# KiCad board rabbit_mask_video_edit.kicad_pcb
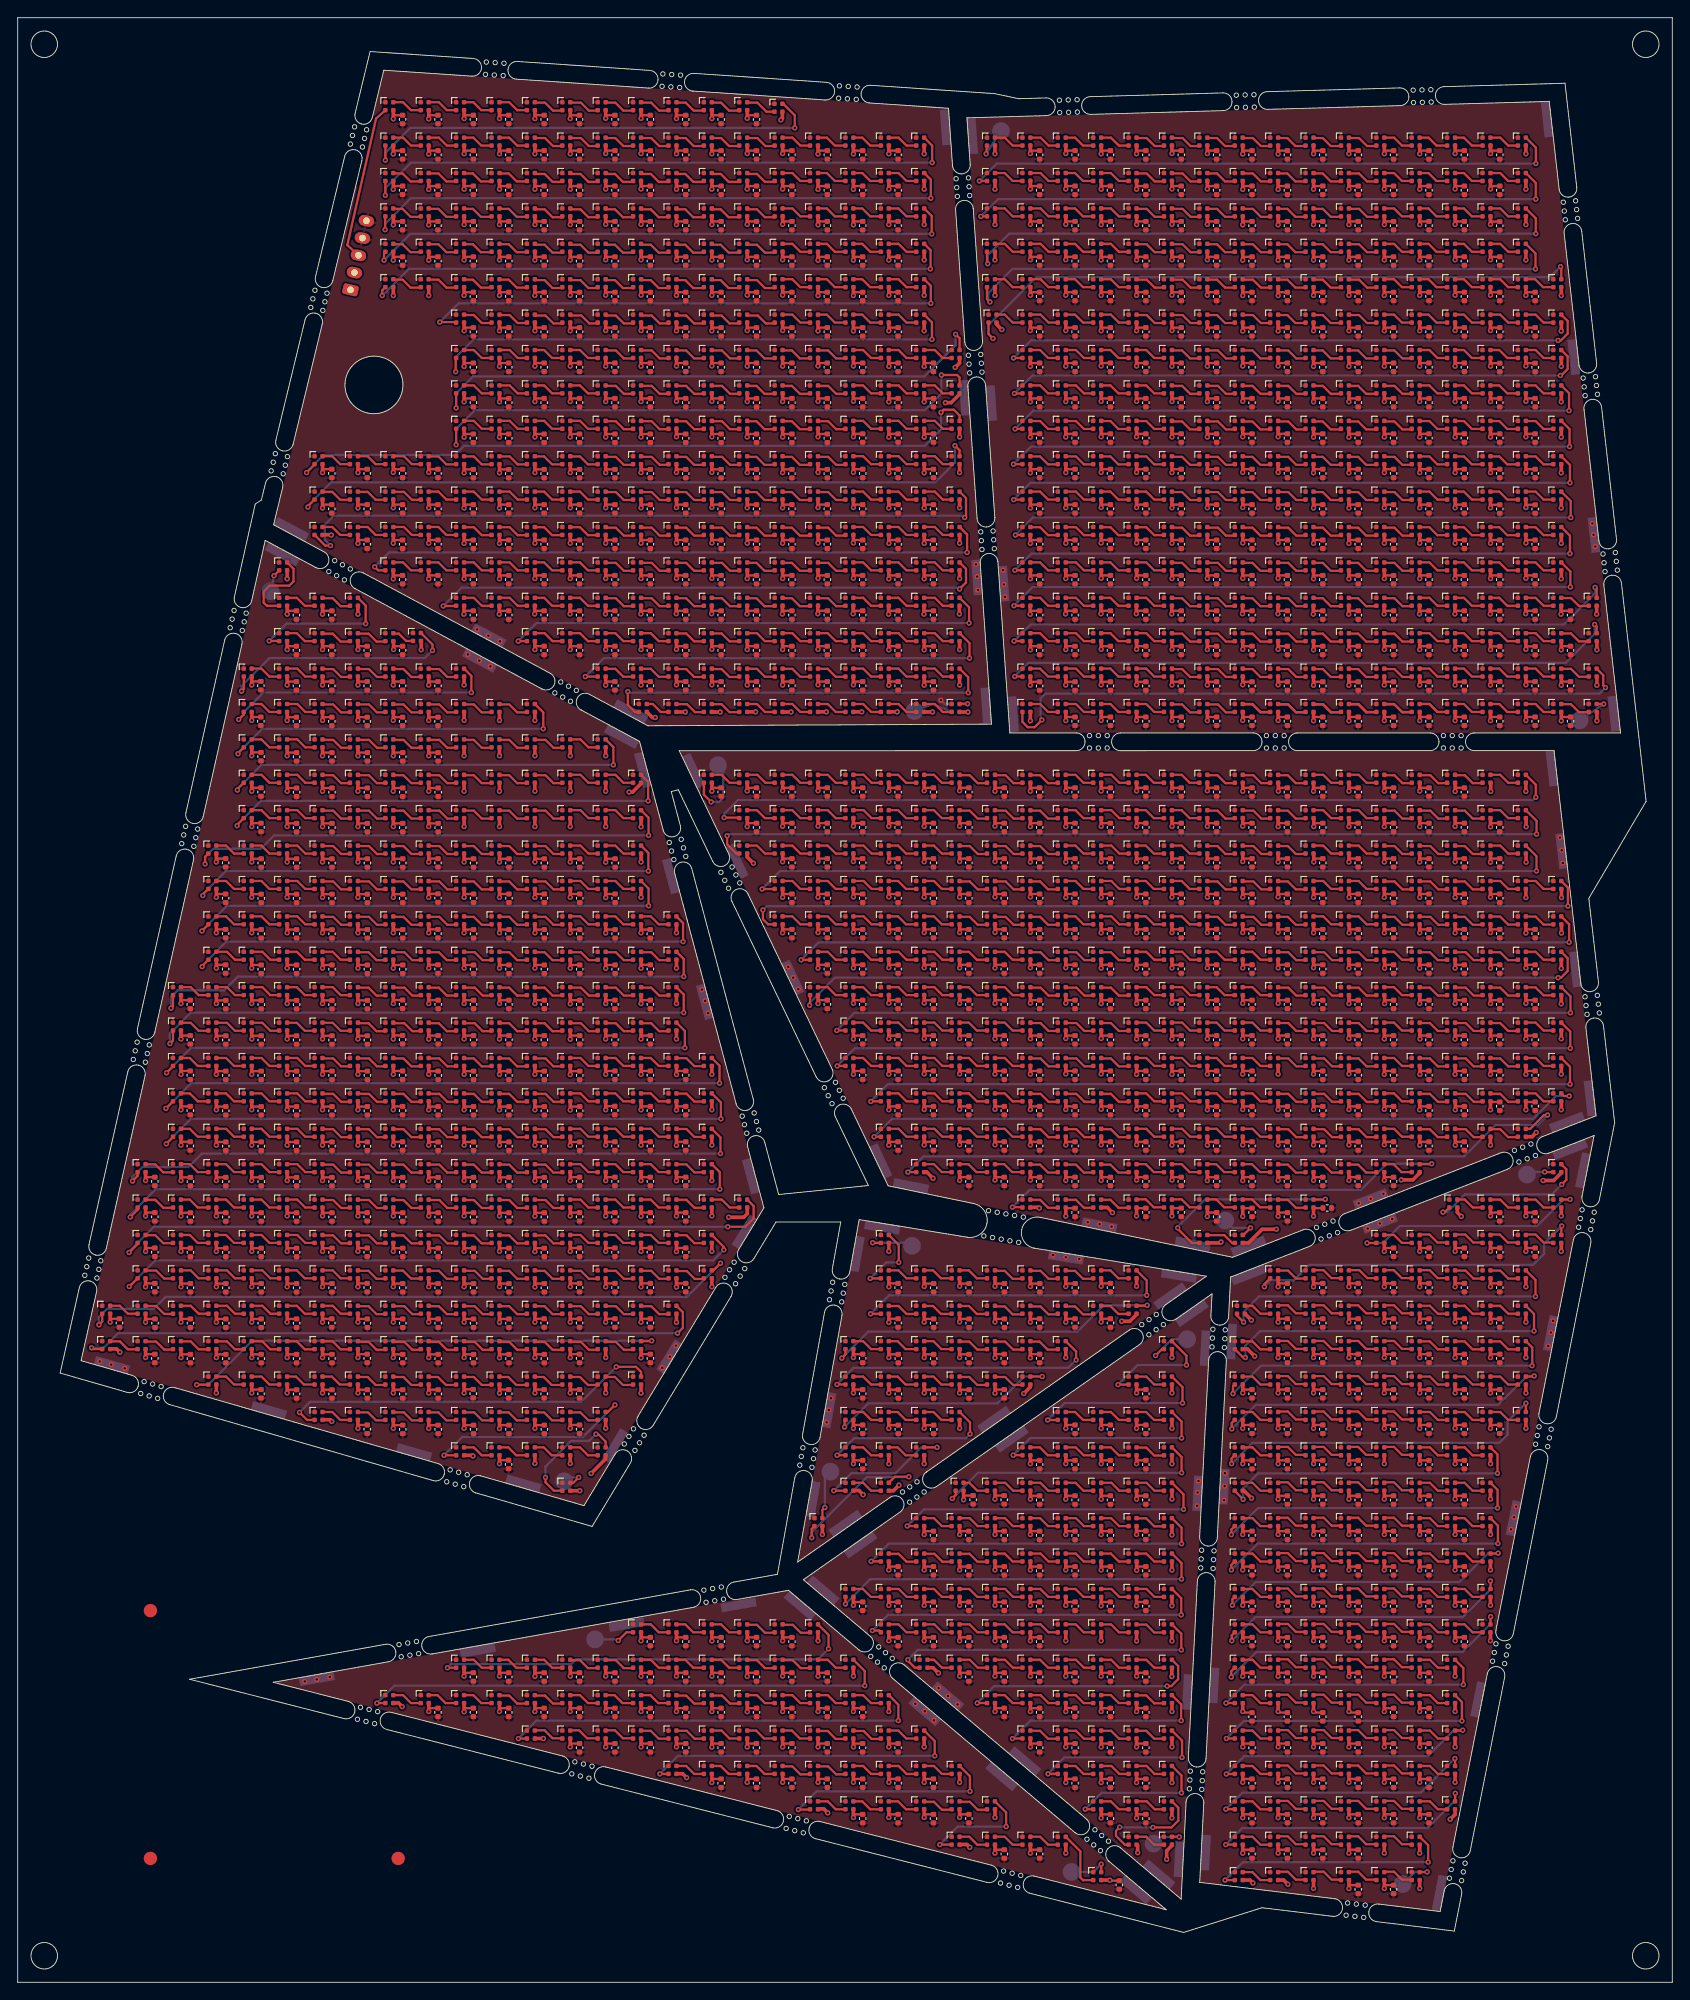
[diagram p0: board, top side]
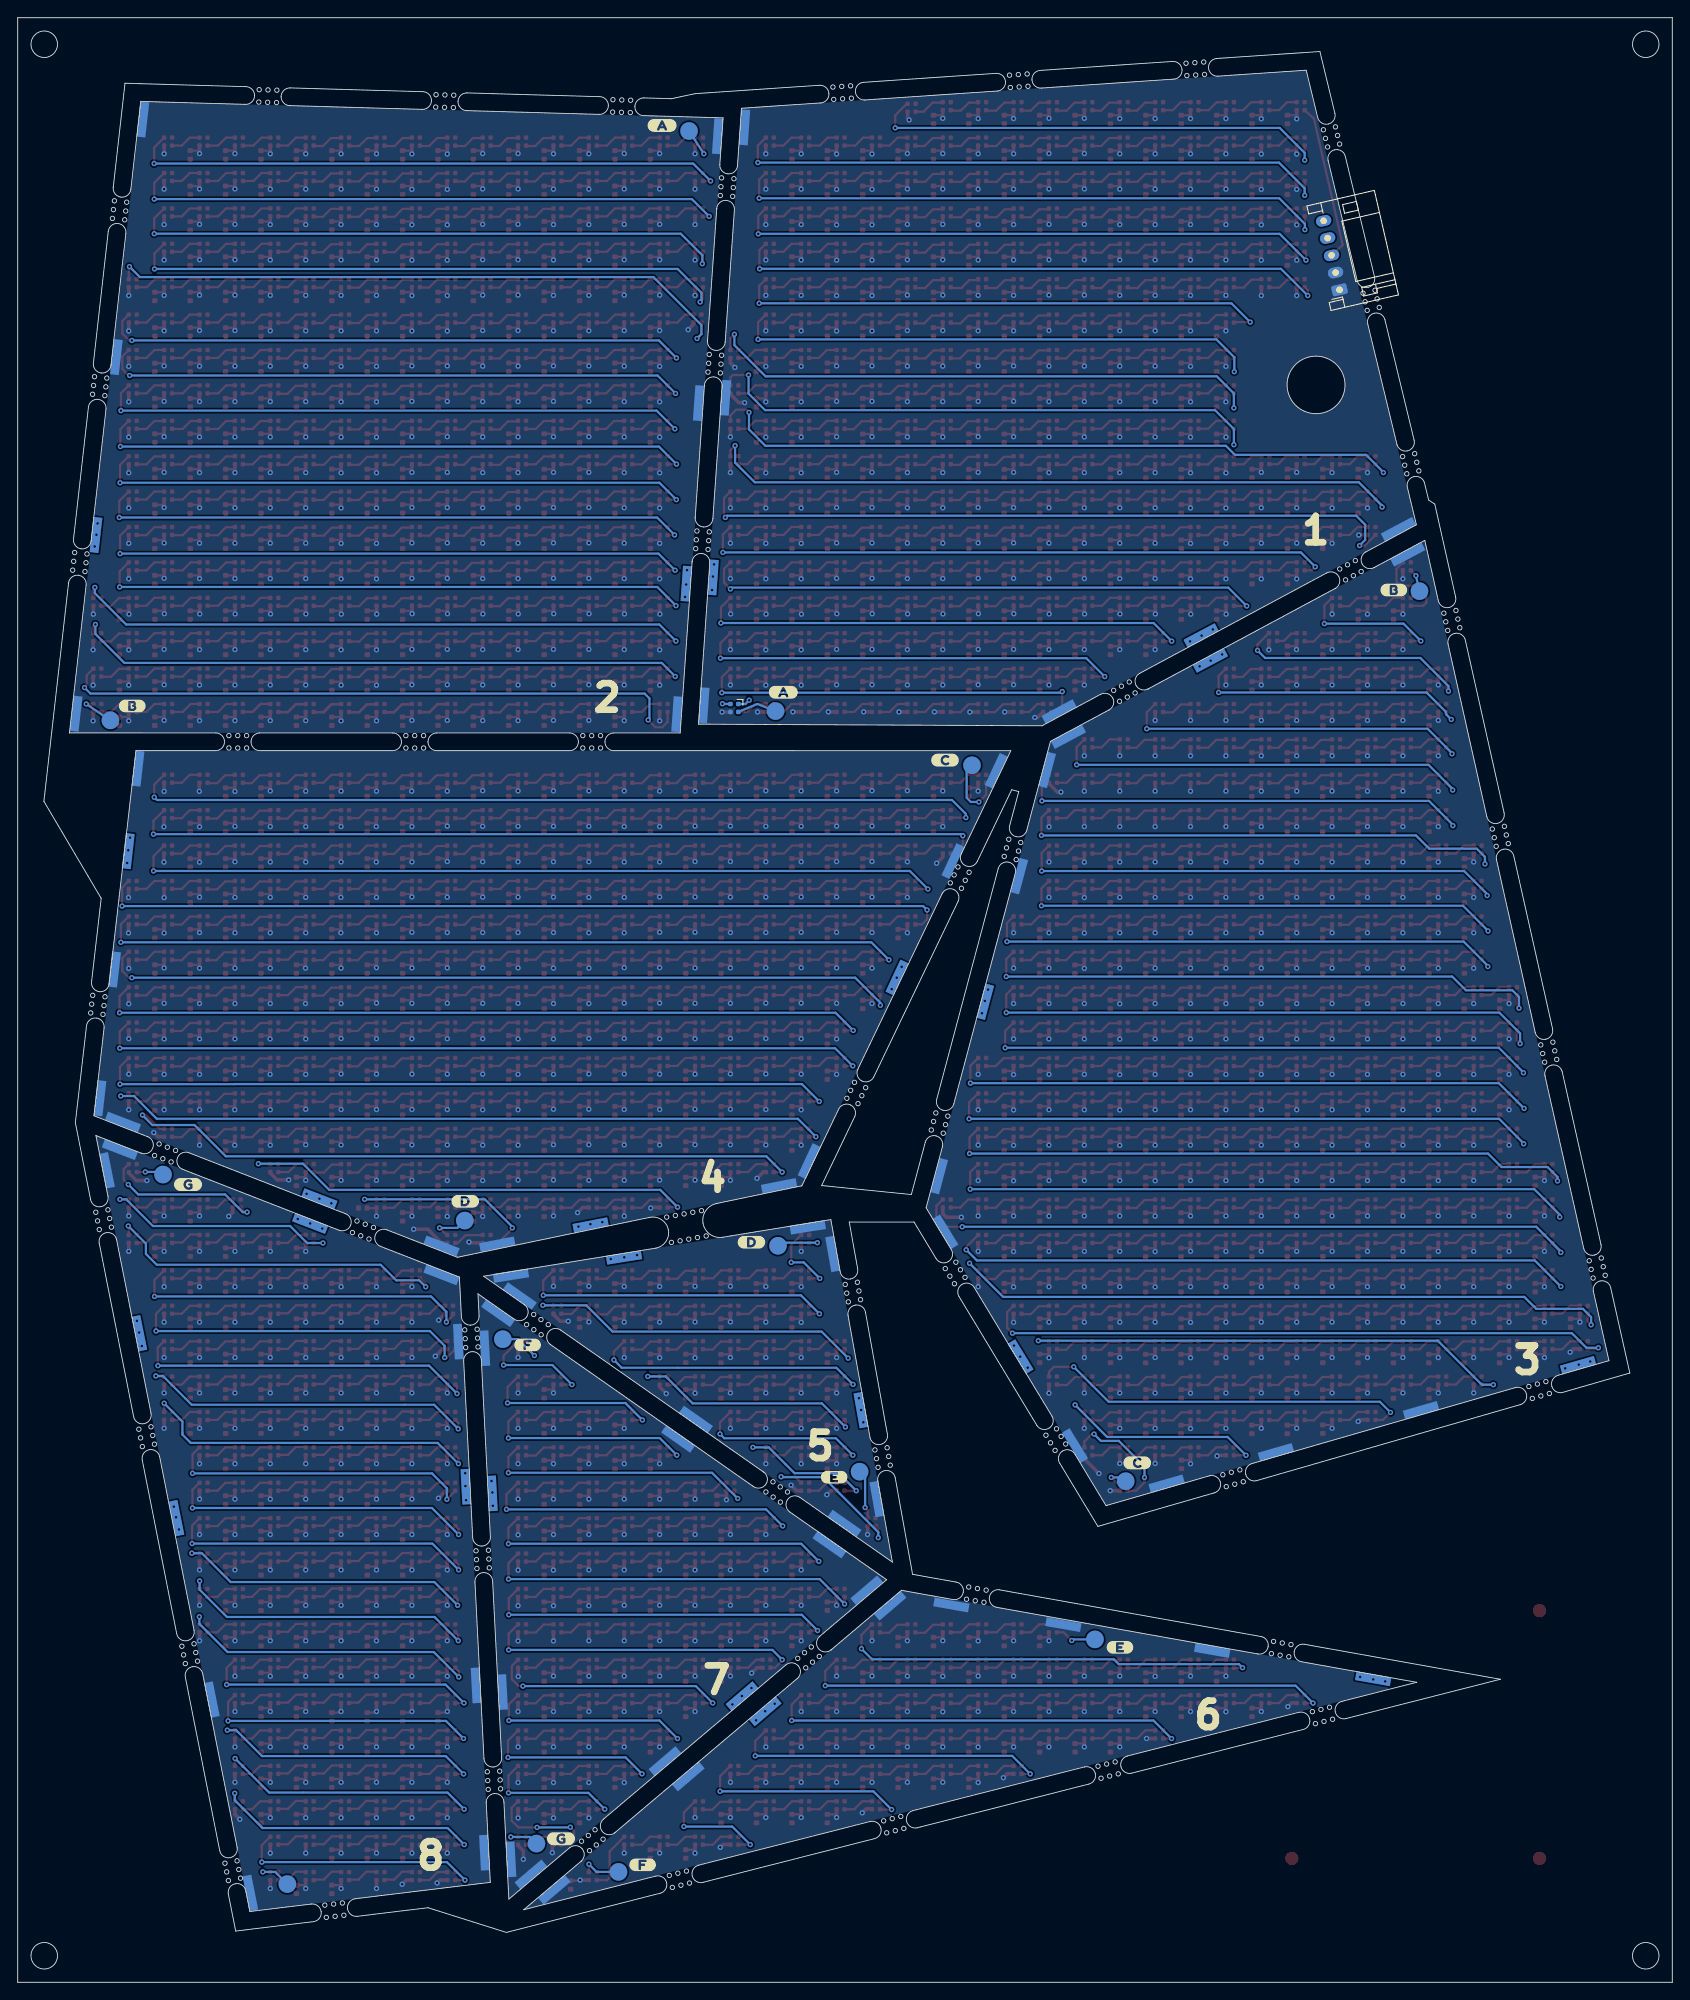
[diagram p1: board, bottom side, seen from below]

Outline 187 x 222 mm; copper layers: Top, Bottom. Coordinates in mm from the lower left corner of the outline.
Outline path: circle c3,219 r1.5 ; circle c3,3 r1.5 ; circle c7.59,79.89 r0.25 ; circle c7.81,80.87 r0.25 ; circle c8.02,81.84 r0.25 ; circle c8.95,79.58 r0.25 ; circle c9.17,80.56 r0.25 ; circle c9.39,81.53 r0.25 ; circle c13.06,104.28 r0.25 ; circle c13.28,105.26 r0.25 ; circle c13.5,106.23 r0.25 ; circle c13.9,66.53 r0.25 ; circle c14.29,67.88 r0.25 ; circle c14.43,103.97 r0.25 ; circle c14.65,104.95 r0.25 ; circle c14.86,66.26 r0.25 ; circle c14.87,105.93 r0.25 ; circle c15.25,67.6 r0.25 ; circle c15.82,65.98 r0.25 ; circle c16.21,67.33 r0.25 ; circle c18.54,128.67 r0.25 ; circle c18.76,129.65 r0.25 ; circle c18.98,130.63 r0.25 ; circle c19.91,128.37 r0.25 ; circle c20.12,129.34 r0.25 ; circle c20.34,130.32 r0.25 ; circle c24.02,153.07 r0.25 ; circle c24.23,154.04 r0.25 ; circle c24.45,155.02 r0.25 ; circle c25.38,152.76 r0.25 ; circle c25.6,153.73 r0.25 ; circle c25.82,154.71 r0.25 ; circle c28.65,170.79 r0.25 ; circle c28.88,171.76 r0.25 ; circle c29.12,172.74 r0.25 ; circle c30.01,170.46 r0.25 ; circle c30.24,171.43 r0.25 ; circle c30.48,172.41 r0.25 ; circle c33.12,189.26 r0.25 ; circle c33.36,190.23 r0.25 ; circle c33.6,191.2 r0.25 ; circle c34.48,188.93 r0.25 ; circle c34.72,189.9 r0.25 ; circle c34.96,190.87 r0.25 ; circle c35.16,159.42 r0.25 ; circle c35.83,160.65 r0.25 ; circle c36.04,158.95 r0.25 ; circle c36.71,160.18 r0.25 ; circle c36.93,158.47 r0.25 ; circle c37.59,159.71 r0.25 ; circle c37.6,207.72 r0.25 ; circle c37.84,208.69 r0.25 ; circle c38.07,209.66 r0.25 ; circle c38.4,29.72 r0.25 ; circle c38.74,31.08 r0.25 ; circle c38.96,207.39 r0.25 ; circle c39.2,208.36 r0.25 ; circle c39.37,29.48 r0.25 ; circle c39.43,209.33 r0.25 ; circle c39.71,30.83 r0.25 ; circle c40.34,29.23 r0.25 ; circle c40.68,30.59 r0.25 ; circle c43.1,38.16 r0.25 ; circle c43.34,36.79 r0.25 ; circle c44.08,38.34 r0.25 ; circle c44.33,36.96 r0.25 ; circle c45.06,38.52 r0.25 ; circle c45.31,37.14 r0.25 ; circle c48.49,56.56 r0.25 ; circle c48.88,57.91 r0.25 ; circle c49.45,56.29 r0.25 ; circle c49.84,57.63 r0.25 ; circle c50.41,56.01 r0.25 ; circle c50.8,57.35 r0.25 ; circle c52.87,215.59 r0.25 ; circle c52.96,216.99 r0.25 ; circle c53.87,215.52 r0.25 ; circle c53.96,216.92 r0.25 ; circle c54.86,215.46 r0.25 ; circle c54.96,216.85 r0.25 ; circle c60.71,145.7 r0.25 ; circle c61.38,146.94 r0.25 ; circle c61.59,145.23 r0.25 ; circle c62.26,146.46 r0.25 ; circle c62.48,144.76 r0.25 ; circle c62.62,23.55 r0.25 ; circle c62.97,24.91 r0.25 ; circle c63.14,145.99 r0.25 ; circle c63.59,23.31 r0.25 ; circle c63.94,24.66 r0.25 ; circle c64.56,23.06 r0.25 ; circle c64.91,24.42 r0.25 ; circle c68.56,60.83 r0.25 ; circle c69.08,61.69 r0.25 ; circle c69.59,62.54 r0.25 ; circle c69.76,60.11 r0.25 ; circle c70.27,60.96 r0.25 ; circle c70.79,61.82 r0.25 ; circle c72.82,214.25 r0.25 ; circle c72.92,215.64 r0.25 ; circle c73.64,128.8 r0.25 ; circle c73.82,214.18 r0.25 ; circle c73.9,127.83 r0.25 ; circle c73.91,215.58 r0.25 ; circle c74.15,126.87 r0.25 ; circle c74.82,214.11 r0.25 ; circle c74.91,215.51 r0.25 ; circle c74.99,129.16 r0.25 ; circle c75.25,128.19 r0.25 ; circle c75.51,127.23 r0.25 ; circle c77.55,44.32 r0.25 ; circle c77.8,42.94 r0.25 ; circle c78.53,44.49 r0.25 ; circle c78.78,43.11 r0.25 ; circle c79.48,125.43 r0.25 ; circle c79.52,44.67 r0.25 ; circle c79.77,43.29 r0.25 ; circle c79.91,124.53 r0.25 ; circle c79.94,79.66 r0.25 ; circle c80.34,123.62 r0.25 ; circle c80.45,80.52 r0.25 ; circle c80.74,126.03 r0.25 ; circle c80.97,81.37 r0.25 ; circle c81.13,78.94 r0.25 ; circle c81.17,125.13 r0.25 ; circle c81.6,124.23 r0.25 ; circle c81.65,79.79 r0.25 ; circle c81.88,97.88 r0.25 ; circle c82.14,96.91 r0.25 ; circle c82.17,80.65 r0.25 ; circle c82.4,95.95 r0.25 ; circle c83.23,98.24 r0.25 ; circle c83.49,97.27 r0.25 ; circle c83.75,96.31 r0.25 ; circle c86.85,17.38 r0.25 ; circle c87.19,18.74 r0.25 ; circle c87.82,17.14 r0.25 ; circle c88.16,18.49 r0.25 ; circle c88.39,58.44 r0.25 ; circle c88.56,59.42 r0.25 ; circle c88.74,60.41 r0.25 ; circle c88.79,16.89 r0.25 ; circle c89.13,18.25 r0.25 ; circle c89.76,58.19 r0.25 ; circle c89.94,59.17 r0.25 ; circle c90.12,60.16 r0.25 ; circle c91.17,101.09 r0.25 ; circle c91.6,100.19 r0.25 ; circle c91.75,77.14 r0.25 ; circle c91.92,78.12 r0.25 ; circle c92.03,99.29 r0.25 ; circle c92.1,79.1 r0.25 ; circle c92.43,101.7 r0.25 ; circle c92.78,212.9 r0.25 ; circle c92.86,100.79 r0.25 ; circle c92.87,214.3 r0.25 ; circle c93.13,76.89 r0.25 ; circle c93.29,99.89 r0.25 ; circle c93.3,77.87 r0.25 ; circle c93.48,78.86 r0.25 ; circle c93.77,212.83 r0.25 ; circle c93.87,214.23 r0.25 ; circle c94.77,212.77 r0.25 ; circle c94.87,214.16 r0.25 ; circle c96.41,36.83 r0.25 ; circle c97.17,36.18 r0.25 ; circle c97.31,37.9 r0.25 ; circle c97.94,35.54 r0.25 ; circle c98.08,37.25 r0.25 ; circle c98.84,36.6 r0.25 ; circle c100,55.41 r0.25 ; circle c100.8,54.26 r0.25 ; circle c100.82,55.98 r0.25 ; circle c101.62,54.83 r0.25 ; circle c101.64,56.55 r0.25 ; circle c102.44,55.41 r0.25 ; circle c106.06,203.8 r0.25 ; circle c106.13,202.81 r0.25 ; circle c106.19,201.81 r0.25 ; circle c107.45,183.85 r0.25 ; circle c107.45,203.9 r0.25 ; circle c107.52,182.86 r0.25 ; circle c107.52,202.9 r0.25 ; circle c107.59,181.86 r0.25 ; circle c107.59,201.91 r0.25 ; circle c108.84,163.9 r0.25 ; circle c108.84,183.95 r0.25 ; circle c108.91,162.9 r0.25 ; circle c108.91,182.95 r0.25 ; circle c108.98,161.91 r0.25 ; circle c108.98,181.96 r0.25 ; circle c109.19,84.34 r0.25 ; circle c109.72,87.2 r0.25 ; circle c110.17,84.15 r0.25 ; circle c110.23,164 r0.25 ; circle c110.3,163 r0.25 ; circle c110.37,162 r0.25 ; circle c110.7,87.01 r0.25 ; circle c111.08,11.21 r0.25 ; circle c111.16,83.97 r0.25 ; circle c111.42,12.57 r0.25 ; circle c111.69,86.83 r0.25 ; circle c112.04,10.97 r0.25 ; circle c112.14,83.79 r0.25 ; circle c112.39,12.32 r0.25 ; circle c112.67,86.65 r0.25 ; circle c113.01,10.72 r0.25 ; circle c113.12,83.61 r0.25 ; circle c113.36,12.08 r0.25 ; circle c113.65,86.47 r0.25 ; circle c117.73,212.68 r0.25 ; circle c117.77,211.28 r0.25 ; circle c118.73,212.71 r0.25 ; circle c118.77,211.31 r0.25 ; circle c119.73,212.73 r0.25 ; circle c119.77,211.34 r0.25 ; circle c120.85,16.17 r0.25 ; circle c121.13,140.87 r0.25 ; circle c121.13,139.48 r0.25 ; circle c121.61,15.52 r0.25 ; circle c121.75,17.24 r0.25 ; circle c122.13,140.88 r0.25 ; circle c122.13,139.48 r0.25 ; circle c122.37,14.88 r0.25 ; circle c122.51,16.59 r0.25 ; circle c123.13,140.88 r0.25 ; circle c123.13,139.48 r0.25 ; circle c123.28,15.95 r0.25 ; circle c127.04,74.32 r0.25 ; circle c127.84,73.17 r0.25 ; circle c127.86,74.89 r0.25 ; circle c128.66,73.75 r0.25 ; circle c128.68,75.47 r0.25 ; circle c129.48,74.32 r0.25 ; circle c132.43,21.86 r0.25 ; circle c132.48,22.86 r0.25 ; circle c132.53,23.86 r0.25 ; circle c133.7,46.83 r0.25 ; circle c133.75,47.83 r0.25 ; circle c133.8,48.83 r0.25 ; circle c133.82,21.79 r0.25 ; circle c133.88,22.79 r0.25 ; circle c133.93,23.79 r0.25 ; circle c134.98,71.8 r0.25 ; circle c135.03,72.8 r0.25 ; circle c135.08,73.8 r0.25 ; circle c135.1,46.76 r0.25 ; circle c135.15,47.76 r0.25 ; circle c135.2,48.76 r0.25 ; circle c136.37,71.73 r0.25 ; circle c136.42,72.73 r0.25 ; circle c136.48,73.72 r0.25 ; circle c137.72,213.24 r0.25 ; circle c137.76,211.84 r0.25 ; circle c138.72,213.27 r0.25 ; circle c138.76,211.87 r0.25 ; circle c139.72,213.3 r0.25 ; circle c139.76,211.9 r0.25 ; circle c141.13,140.88 r0.25 ; circle c141.13,139.48 r0.25 ; circle c142.13,140.88 r0.25 ; circle c142.13,139.48 r0.25 ; circle c143.13,140.88 r0.25 ; circle c143.13,139.48 r0.25 ; circle c146.79,85.3 r0.25 ; circle c147.3,83.99 r0.25 ; circle c147.72,85.66 r0.25 ; circle c148.23,84.36 r0.25 ; circle c148.66,86.02 r0.25 ; circle c149.16,84.72 r0.25 ; circle c150.13,7.57 r0.25 ; circle c150.3,8.96 r0.25 ; circle c151.13,7.45 r0.25 ; circle c151.3,8.84 r0.25 ; circle c152.12,7.33 r0.25 ; circle c152.29,8.72 r0.25 ; circle c157.71,213.81 r0.25 ; circle c157.75,212.41 r0.25 ; circle c158.71,213.84 r0.25 ; circle c158.75,212.44 r0.25 ; circle c159.71,213.87 r0.25 ; circle c159.75,212.47 r0.25 ; circle c161.13,140.88 r0.25 ; circle c161.13,139.48 r0.25 ; circle c161.82,11.77 r0.25 ; circle c162.01,12.75 r0.25 ; circle c162.13,140.88 r0.25 ; circle c162.13,139.48 r0.25 ; circle c162.21,13.73 r0.25 ; circle c163.13,140.88 r0.25 ; circle c163.13,139.48 r0.25 ; circle c163.19,11.49 r0.25 ; circle c163.38,12.47 r0.25 ; circle c163.58,13.45 r0.25 ; circle c166.68,36.29 r0.25 ; circle c166.88,37.27 r0.25 ; circle c167.07,38.25 r0.25 ; circle c168.05,36.01 r0.25 ; circle c168.25,37 r0.25 ; circle c168.44,37.98 r0.25 ; circle c169.16,94.01 r0.25 ; circle c169.66,92.7 r0.25 ; circle c170.09,94.37 r0.25 ; circle c170.6,93.06 r0.25 ; circle c171.02,94.73 r0.25 ; circle c171.53,93.43 r0.25 ; circle c171.55,60.81 r0.25 ; circle c171.74,61.79 r0.25 ; circle c171.94,62.77 r0.25 ; circle c172.92,60.54 r0.25 ; circle c173.11,61.52 r0.25 ; circle c173.31,62.5 r0.25 ; circle c174.68,201.15 r0.25 ; circle c174.79,200.16 r0.25 ; circle c174.91,199.16 r0.25 ; circle c176.07,201.31 r0.25 ; circle c176.18,200.31 r0.25 ; circle c176.3,199.32 r0.25 ; circle c176.41,85.33 r0.25 ; circle c176.61,86.31 r0.25 ; circle c176.8,87.29 r0.25 ; circle c176.93,181.28 r0.25 ; circle c177.04,180.28 r0.25 ; circle c177.13,111.36 r0.25 ; circle c177.15,179.29 r0.25 ; circle c177.25,110.37 r0.25 ; circle c177.36,109.38 r0.25 ; circle c177.78,85.06 r0.25 ; circle c177.98,86.04 r0.25 ; circle c178.17,87.02 r0.25 ; circle c178.32,181.43 r0.25 ; circle c178.43,180.44 r0.25 ; circle c178.52,111.52 r0.25 ; circle c178.54,179.45 r0.25 ; circle c178.64,110.53 r0.25 ; circle c178.75,109.54 r0.25 ; circle c179.17,161.4 r0.25 ; circle c179.28,160.41 r0.25 ; circle c179.4,159.42 r0.25 ; circle c180.56,161.56 r0.25 ; circle c180.67,160.57 r0.25 ; circle c180.79,159.57 r0.25 ; circle c184,219 r1.5 ; circle c184,3 r1.5 ; 12.37,66.66 4.8,68.85 6.97,78.49 ; 8.92,78.05 7.16,70.25 12.93,68.58 ; 10.01,82.93 14.39,102.45 ; 12.44,102.88 8.06,83.37 ; 15.49,107.32 19.87,126.84 ; 17.18,65.28 46.97,56.69 ; 17.92,127.28 13.54,107.76 ; 36.87,29.8 19.43,34.24 41.57,38.2 ; 20.96,131.72 25.35,151.23 ; 23.39,151.67 19.01,132.15 ; 26.44,156.11 27.97,162.94 33.7,159.86 ; 24.49,156.55 26.85,167.04 27.54,167.5 28,169.4 ; 41.92,36.23 28.88,33.9 37.36,31.74 ; 29.95,168.93 28.92,164.7 34.65,161.63 ; 31.12,173.79 34.42,187.4 ; 32.48,187.87 29.18,174.26 ; 35.6,192.26 38.9,205.86 ; 36.96,206.33 33.66,192.73 ; 38.11,157.5 59.25,146.15 ; 38.13,211.19 39.83,218.17 51.49,217.39 ; 40.08,210.72 41.37,216.07 51.35,215.39 ; 41.71,28.57 61.1,23.63 ; 46.84,37.11 76.37,42.38 ; 47.52,58.61 17.73,67.2 ; 51.77,55.31 64.92,51.52 69.24,58.67 ; 56.34,215.06 71.31,214.05 ; 60.2,147.91 39.05,159.26 ; 61.59,25.57 42.21,30.51 ; 63.66,143.78 70.28,140.22 72.96,130.17 ; 52.32,57.23 64,53.86 67.53,59.7 ; 65.94,22.4 85.32,17.46 ; 64.6,145.54 71.23,141.99 110.05,142.17 108.78,160.39 ; 71.44,216.04 56.47,217.05 ; 71.82,62.95 80.62,77.5 ; 74.25,125.34 81.21,99.25 ; 78.56,126.65 74.66,134.76 73.86,134.55 74.89,130.69 ; 119.63,139.17 74.76,139.17 80.36,127.52 ; 76.02,44.35 46.49,39.08 ; 76.29,213.71 91.26,212.7 ; 78.9,78.53 70.11,63.98 ; 80.72,122.14 90.25,102.31 ; 81.29,43.26 87.11,44.3 95.07,37.57 ; 82.49,94.42 84.33,87.52 81.49,82.81 ; 83.14,99.77 76.18,125.85 ; 83.2,81.78 85.7,85.91 93.02,85.91 92.07,80.63 ; 85.82,19.4 66.43,24.34 ; 80.94,45.23 85.86,46.11 87.83,57.01 ; 84.43,94.94 86,89.02 96.14,90.04 92.41,97.81 ; 89.79,56.66 88.14,47.48 98.6,54.79 ; 99.74,53.15 88.79,45.49 96.36,39.09 ; 90.17,16.23 109.55,11.29 ; 90.68,61.58 93.15,75.36 ; 91.19,75.71 88.71,61.93 ; 91.39,214.7 76.43,215.71 ; 92.05,103.18 82.52,123.01 ; 94.04,80.28 95.1,86.19 107.33,84.19 ; 96.25,212.37 105.2,211.76 105.65,205.28 ; 94.21,98.67 98.38,90 108.03,88 ; 98.89,34.34 119.51,16.91 ; 106,200.29 107.04,185.33 ; 116.28,210.94 107.28,210.68 107.65,205.42 ; 107.39,180.34 108.43,165.38 ; 109.04,185.47 108,200.43 ; 110.04,13.23 90.66,18.17 ; 96.38,214.36 110.43,213.42 113.1,212.85 116.22,212.94 ; 110.43,165.52 109.39,180.48 ; 110.78,160.53 112.13,141.17 119.65,141.17 ; 114.39,10.06 131.76,5.64 140.61,8.43 148.61,7.46 ; 114.92,82.95 134.34,79.79 129.74,76.57 129.74,76.57 ; 120.8,18.43 100.18,35.86 ; 121.27,211.08 136.27,211.5 ; 123.33,13.68 123.32,13.68 129.81,8.2 114.89,12 ; 124.63,139.18 139.63,139.18 ; 130.88,74.93 134.98,77.8 134.85,75.31 ; 124.62,15.21 131.49,9.4 132.05,20.38 ; 133.32,45.35 132.31,25.37 ; 134.05,20.28 133.59,11.29 148.85,9.44 ; 134.3,25.27 135.32,45.25 ; 134.6,70.32 133.58,50.34 ; 135.58,50.24 136.6,70.21 ; 136.21,213.5 121.22,213.08 ; 136.85,75.21 137.08,79.69 146.01,83.17 ; 115.57,86.44 137.3,81.92 145.29,85.04 ; 139.65,141.18 124.61,141.17 ; 141.27,211.64 156.26,212.07 ; 144.63,139.18 159.63,139.18 ; 150.67,84.98 168.38,91.88 ; 153.57,6.85 162.36,5.79 163.19,9.96 ; 156.2,214.07 141.21,213.64 ; 159.66,141.18 144.61,141.18 ; 153.81,8.84 160.76,8 161.23,10.35 ; 161.26,212.21 173.09,212.54 174.21,202.61 ; 164.16,14.87 168.06,34.48 ; 164.63,139.18 173.63,139.18 176.66,112.82 ; 166.1,34.87 162.2,15.26 ; 167.66,93.74 149.94,86.85 ; 169.03,39.39 172.92,59.01 ; 170.96,59.4 167.07,39.78 ; 173.03,93.69 178.16,95.69 176.8,88.82 ; 173.89,63.91 177.79,83.53 ; 174.78,197.64 176.46,182.73 ; 161.2,214.21 174.87,214.59 176.2,202.83 ; 175.82,83.92 171.93,64.3 ; 177.02,177.77 178.7,162.86 ; 177.24,107.85 178.38,97.92 172.3,95.55 ; 178.45,182.96 176.76,197.86 ; 178.65,113.05 177.56,122.49 184.04,133.45 181.25,158.12 ; 178.76,88.43 180.48,97.13 179.22,108.08 ; 179.27,157.89 181.15,141.18 164.6,141.18 ; 180.69,163.09 179.01,177.99 ; 0,222 187,222 187,0 0,0 0,222 ; 102.7,57.66 102.7,57.66 125.64,73.71 arc(127.03,73.46) 126.79,72.07 103.84,56.02 arc(102.45,56.27) 102.7,57.66
Stack: Top 0.035mm / dielectric 1.51mm FR4 er 4.5 / Bottom 0.035mm

## Placement (name value [footprint] x y rotation side)
C1485  0.1uF  [C_0402_1005Metric]  167.5 86.5 270 top
C1485#2  0.1uF  [C_0402_1005Metric]  103.5 158.5 270 top
C1485#3  0.1uF  [C_0402_1005Metric]  111.5 118.5 270 top
C1485#4  0.1uF  [C_0402_1005Metric]  27.48 146.52 270 top
C1485#5  0.1uF  [C_0402_1005Metric]  123.5 150.5 270 top
C1485#6  0.1uF  [C_0402_1005Metric]  115.5 46.5 270 top
C1485#7  0.1uF  [C_0402_1005Metric]  115.5 202.5 270 top
C1485#8  0.1uF  [C_0402_1005Metric]  87.5 130.5 270 top
C1485#9  0.1uF  [C_0402_1005Metric]  163.5 70.5 270 top
C1485#10  0.1uF  [C_0402_1005Metric]  31.52 118.48 270 top
C1485#11  0.1uF  [C_0402_1005Metric]  143.5 206.5 270 top
C1485#12  0.1uF  [C_0402_1005Metric]  131.5 206.5 270 top
C1485#13  0.1uF  [C_0402_1005Metric]  83.5 22.5 270 top
C1485#14  0.1uF  [C_0402_1005Metric]  23.5 126.5 270 top
C1485#15  0.1uF  [C_0402_1005Metric]  175.5 146.5 270 top
C1485#16  0.1uF  [C_0402_1005Metric]  159.5 130.5 270 top
C1485#17  0.1uF  [C_0402_1005Metric]  167.5 114.5 270 top
C1485#18  0.1uF  [C_0402_1005Metric]  167.5 130.5 270 top
C1485#19  0.1uF  [C_0402_1005Metric]  63.5 162.5 270 top
C1485#20  0.1uF  [C_0402_1005Metric]  83.5 206.5 270 top
C1485#21  0.1uF  [C_0402_1005Metric]  143.5 42.5 270 top
C1485#22  0.1uF  [C_0402_1005Metric]  123.5 186.5 270 top
C1485#23  0.1uF  [C_0402_1005Metric]  143.5 130.5 270 top
C1485#24  0.1uF  [C_0402_1005Metric]  47.52 66.48 270 top
C1485#25  0.1uF  [C_0402_1005Metric]  83.5 190.5 270 top
C1485#26  0.1uF  [C_0402_1005Metric]  159.5 178.5 270 top
C1485#27  0.1uF  [C_0402_1005Metric]  67.5 154.5 270 top
C1485#28  0.1uF  [C_0402_1005Metric]  147.5 206.5 270 top
C1485#29  0.1uF  [C_0402_1005Metric]  131.5 166.5 270 top
C1485#30  0.1uF  [C_0402_1005Metric]  23.52 74.48 270 top
C1485#31  0.1uF  [C_0402_1005Metric]  63.52 110.5 270 top
C1485#32  0.1uF  [C_0402_1005Metric]  71.5 206.5 270 top
C1485#33  0.1uF  [C_0402_1005Metric]  155.5 106.5 270 top
C1485#34  0.1uF  [C_0402_1005Metric]  163.5 154.5 270 top
C1485#35  0.1uF  [C_0402_1005Metric]  119.5 134.5 270 top
C1485#36  0.1uF  [C_0402_1005Metric]  67.5 34.5 270 top
C1485#37  0.1uF  [C_0402_1005Metric]  127.5 126.5 270 top
C1485#38  0.1uF  [C_0402_1005Metric]  115.52 78.48 270 top
C1485#39  0.1uF  [C_0402_1005Metric]  35.52 134.48 270 top
C1485#40  0.1uF  [C_0402_1005Metric]  27.52 90.48 270 top
C1485#41  0.1uF  [C_0402_1005Metric]  55.52 126.48 270 top
C1485#42  0.1uF  [C_0402_1005Metric]  143.5 106.5 270 top
C1485#43  0.1uF  [C_0402_1005Metric]  95.5 154.5 270 top
C1485#44  0.1uF  [C_0402_1005Metric]  175.5 142.5 270 top
C1485#45  0.1uF  [C_0402_1005Metric]  95.5 206.5 270 top
C1485#46  0.1uF  [C_0402_1005Metric]  127.5 146.48 270 top
C1485#47  0.1uF  [C_0402_1005Metric]  155.5 66.5 270 top
C1485#48  0.1uF  [C_0402_1005Metric]  143.5 74.5 270 top
C1485#49  0.1uF  [C_0402_1005Metric]  31.52 110.48 270 top
C1485#50  0.1uF  [C_0402_1005Metric]  55.52 82.48 270 top
C1485#51  0.1uF  [C_0402_1005Metric]  107.5 50.5 270 top
C1485#52  0.1uF  [C_0402_1005Metric]  75.5 178.5 270 top
C1485#53  0.1uF  [C_0402_1005Metric]  135.5 146.48 270 top
C1485#54  0.1uF  [C_0402_1005Metric]  167.5 118.5 270 top
C1485#55  0.1uF  [C_0402_1005Metric]  147.5 126.5 270 top
C1485#56  0.1uF  [C_0402_1005Metric]  167.5 62.5 270 top
C1485#57  0.1uF  [C_0402_1005Metric]  51.5 190.5 270 top
C1485#58  0.1uF  [C_0402_1005Metric]  123.5 90.5 270 top
C1485#59  0.1uF  [C_0402_1005Metric]  87.5 154.5 270 top
C1485#60  0.1uF  [C_0402_1005Metric]  35.52 106.48 270 top
C1485#61  0.1uF  [C_0402_1005Metric]  127.5 166.5 270 top
C1485#62  0.1uF  [C_0402_1005Metric]  91.5 134.5 270 top
C1485#63  0.1uF  [C_0402_1005Metric]  95.5 118.5 270 top
C1485#64  0.1uF  [C_0402_1005Metric]  155.5 46.5 270 top
C1485#65  0.1uF  [C_0402_1005Metric]  147.5 94.5 270 top
C1485#66  0.1uF  [C_0402_1005Metric]  31.52 114.48 270 top
C1485#67  0.1uF  [C_0402_1005Metric]  131.5 146.48 270 top
C1485#68  0.1uF  [C_0402_1005Metric]  31.52 66.48 270 top
C1485#69  0.1uF  [C_0402_1005Metric]  79.5 30.5 270 top
C1485#70  0.1uF  [C_0402_1005Metric]  167.5 66.5 270 top
C1485#71  0.1uF  [C_0402_1005Metric]  115.5 98.5 270 top
C1485#72  0.1uF  [C_0402_1005Metric]  51.5 158.5 270 top
C1485#73  0.1uF  [C_0402_1005Metric]  59.52 122.5 270 top
C1485#74  0.1uF  [C_0402_1005Metric]  163.5 50.5 270 top
C1485#75  0.1uF  [C_0402_1005Metric]  95.5 58.5 270 top
C1485#76  0.1uF  [C_0402_1005Metric]  79.5 202.5 270 top
C1485#77  0.1uF  [C_0402_1005Metric]  59.5 66.5 270 top
C1485#78  0.1uF  [C_0402_1005Metric]  51.5 34.5 270 top
C1485#79  0.1uF  [C_0402_1005Metric]  159.5 42.5 270 top
C1485#80  0.1uF  [C_0402_1005Metric]  51.52 86.48 270 top
C1485#81  0.1uF  [C_0402_1005Metric]  143.5 62.5 270 top
C1485#82  0.1uF  [C_0402_1005Metric]  159.5 18.5 270 top
C1485#83  0.1uF  [C_0402_1005Metric]  99.5 42.5 270 top
C1485#84  0.1uF  [C_0402_1005Metric]  143.5 34.5 270 top
C1485#85  0.1uF  [C_0402_1005Metric]  123.5 30.5 270 top
C1485#86  0.1uF  [C_0402_1005Metric]  135.5 150.5 270 top
C1485#87  0.1uF  [C_0402_1005Metric]  127.5 130.5 270 top
C1485#88  0.1uF  [C_0402_1005Metric]  91.5 198.5 270 top
C1485#89  0.1uF  [C_0402_1005Metric]  47.5 142.48 270 top
C1485#90  0.1uF  [C_0402_1005Metric]  39.52 134.48 270 top
C1485#91  0.1uF  [C_0402_1005Metric]  143.5 94.5 270 top
C1485#92  0.1uF  [C_0402_1005Metric]  19.5 106.5 270 top
C1485#93  0.1uF  [C_0402_1005Metric]  147.5 178.5 270 top
C1485#94  0.1uF  [C_0402_1005Metric]  55.5 154.5 270 top
C1485#95  0.1uF  [C_0402_1005Metric]  131.5 142.5 270 top
C1485#96  0.1uF  [C_0402_1005Metric]  151.5 194.5 270 top
C1485#97  0.1uF  [C_0402_1005Metric]  163.5 54.5 270 top
C1485#98  0.1uF  [C_0402_1005Metric]  167.5 110.5 270 top
C1485#99  0.1uF  [C_0402_1005Metric]  99.5 22.5 270 top
C1485#100  0.1uF  [C_0402_1005Metric]  83.5 34.5 270 top
C1485#101  0.1uF  [C_0402_1005Metric]  47.52 130.48 270 top
C1485#102  0.1uF  [C_0402_1005Metric]  155.5 150.5 270 top
C1485#103  0.1uF  [C_0402_1005Metric]  115.5 206.5 270 top
C1485#104  0.1uF  [C_0402_1005Metric]  91.5 194.5 270 top
C1485#105  0.1uF  [C_0402_1005Metric]  91.5 170.48 270 top
C1485#106  0.1uF  [C_0402_1005Metric]  47.52 98.48 270 top
C1485#107  0.1uF  [C_0402_1005Metric]  31.52 94.48 270 top
C1485#108  0.1uF  [C_0402_1005Metric]  55.52 118.48 270 top
C1485#109  0.1uF  [C_0402_1005Metric]  147.5 150.5 270 top
C1485#110  0.1uF  [C_0402_1005Metric]  95.5 130.5 270 top
C1485#111  0.1uF  [C_0402_1005Metric]  23.52 82.48 270 top
C1485#112  0.1uF  [C_0402_1005Metric]  47.52 138.48 270 top
C1485#113  0.1uF  [C_0402_1005Metric]  151.5 22.5 270 top
C1485#114  0.1uF  [C_0402_1005Metric]  99.5 186.5 270 top
C1485#115  0.1uF  [C_0402_1005Metric]  175.5 150.5 270 top
C1485#116  0.1uF  [C_0402_1005Metric]  35.52 86.48 270 top
C1485#117  0.1uF  [C_0402_1005Metric]  139.5 22.5 270 top
C1485#118  0.1uF  [C_0402_1005Metric]  163.5 98.5 270 top
C1485#119  0.1uF  [C_0402_1005Metric]  47.52 110.5 270 top
C1485#120  0.1uF  [C_0402_1005Metric]  15.52 74.48 270 top
C1485#121  0.1uF  [C_0402_1005Metric]  119.48 30.52 270 top
C1485#122  0.1uF  [C_0402_1005Metric]  143.5 98.5 270 top
C1485#123  0.1uF  [C_0402_1005Metric]  71.5 146.5 270 top
C1485#124  0.1uF  [C_0402_1005Metric]  31.52 82.48 270 top
C1485#125  0.1uF  [C_0402_1005Metric]  135.5 154.5 270 top
C1485#126  0.1uF  [C_0402_1005Metric]  163.5 134.5 270 top
C1485#127  0.1uF  [C_0402_1005Metric]  31.52 134.48 270 top
C1485#128  0.1uF  [C_0402_1005Metric]  63.5 202.5 270 top
C1485#129  0.1uF  [C_0402_1005Metric]  127.5 98.5 270 top
C1485#130  0.1uF  [C_0402_1005Metric]  131.5 118.5 270 top
C1485#131  0.1uF  [C_0402_1005Metric]  143.5 30 270 top
C1485#132  0.1uF  [C_0402_1005Metric]  111.5 106.5 270 top
C1485#133  0.1uF  [C_0402_1005Metric]  115.5 178.5 270 top
C1485#134  0.1uF  [C_0402_1005Metric]  39.52 94.48 270 top
C1485#135  0.1uF  [C_0402_1005Metric]  95.5 178.5 270 top
C1485#136  0.1uF  [C_0402_1005Metric]  127.5 170.5 270 top
C1485#137  0.1uF  [C_0402_1005Metric]  75.5 150.5 270 top
C1485#138  0.1uF  [C_0402_1005Metric]  155.5 174.5 270 top
C1485#139  0.1uF  [C_0402_1005Metric]  127.5 162.5 270 top
C1485#140  0.1uF  [C_0402_1005Metric]  43.52 126.48 270 top
C1485#141  0.1uF  [C_0402_1005Metric]  31.5 142.48 270 top
C1485#142  0.1uF  [C_0402_1005Metric]  155.5 178.5 270 top
C1485#143  0.1uF  [C_0402_1005Metric]  151.5 94.5 270 top
C1485#144  0.1uF  [C_0402_1005Metric]  123.5 78.5 270 top
C1485#145  0.1uF  [C_0402_1005Metric]  159.5 146.48 270 top
C1485#146  0.1uF  [C_0402_1005Metric]  95.5 186.5 270 top
C1485#147  0.1uF  [C_0402_1005Metric]  147.5 106.5 270 top
C1485#148  0.1uF  [C_0402_1005Metric]  35.52 98.48 270 top
C1485#149  0.1uF  [C_0402_1005Metric]  115.5 14.5 270 top
C1485#150  0.1uF  [C_0402_1005Metric]  51.52 70.48 270 top
C1485#151  0.1uF  [C_0402_1005Metric]  47.52 82.48 270 top
C1485#152  0.1uF  [C_0402_1005Metric]  27.5 130.5 270 top
C1485#153  0.1uF  [C_0402_1005Metric]  127.5 194.5 270 top
C1485#154  0.1uF  [C_0402_1005Metric]  71.49 118.48 270 top
C1485#155  0.1uF  [C_0402_1005Metric]  119.5 186.5 270 top
C1485#156  0.1uF  [C_0402_1005Metric]  107.5 114.5 270 top
C1485#157  0.1uF  [C_0402_1005Metric]  63.5 194.5 270 top
C1485#158  0.1uF  [C_0402_1005Metric]  171.5 102.5 270 top
C1485#159  0.1uF  [C_0402_1005Metric]  103.5 110.5 270 top
C1485#160  0.1uF  [C_0402_1005Metric]  111.5 94.5 270 top
C1485#161  0.1uF  [C_0402_1005Metric]  131.5 110.5 270 top
C1485#162  0.1uF  [C_0402_1005Metric]  87.5 134.5 270 top
C1485#163  0.1uF  [C_0402_1005Metric]  71.5 90.5 270 top
C1485#164  0.1uF  [C_0402_1005Metric]  159.5 114.5 270 top
C1485#165  0.1uF  [C_0402_1005Metric]  171.5 114.5 270 top
C1485#166  0.1uF  [C_0402_1005Metric]  127.5 190.5 270 top
C1485#167  0.1uF  [C_0402_1005Metric]  155.5 98.5 270 top
C1485#168  0.1uF  [C_0402_1005Metric]  131.5 150.5 270 top
C1485#169  0.1uF  [C_0402_1005Metric]  27.5 66.5 270 top
C1485#170  0.1uF  [C_0402_1005Metric]  35.5 150.5 270 top
C1485#171  0.1uF  [C_0402_1005Metric]  67.5 162.5 270 top
C1485#172  0.1uF  [C_0402_1005Metric]  95.5 146.5 270 top
C1485#173  0.1uF  [C_0402_1005Metric]  143.5 158.5 270 top
C1485#174  0.1uF  [C_0402_1005Metric]  71.5 178.5 270 top
C1485#175  0.1uF  [C_0402_1005Metric]  43.5 142.48 270 top
C1485#176  0.1uF  [C_0402_1005Metric]  119.52 78.48 270 top
C1485#177  0.1uF  [C_0402_1005Metric]  103.5 98.5 270 top
C1485#178  0.1uF  [C_0402_1005Metric]  119.5 94.5 270 top
C1485#179  0.1uF  [C_0402_1005Metric]  87.5 182.5 270 top
C1485#180  0.1uF  [C_0402_1005Metric]  59.5 150.5 270 top
C1485#181  0.1uF  [C_0402_1005Metric]  27.52 98.48 270 top
C1485#182  0.1uF  [C_0402_1005Metric]  163.5 114.5 270 top
C1485#183  0.1uF  [C_0402_1005Metric]  43.52 122.48 270 top
C1485#184  0.1uF  [C_0402_1005Metric]  55.52 122.5 270 top
C1485#185  0.1uF  [C_0402_1005Metric]  47.52 134.48 270 top
C1485#186  0.1uF  [C_0402_1005Metric]  151.5 162.5 270 top
C1485#187  0.1uF  [C_0402_1005Metric]  139.5 170.5 270 top
C1485#188  0.1uF  [C_0402_1005Metric]  155.5 198.5 270 top
C1485#189  0.1uF  [C_0402_1005Metric]  127.5 87 270 top
C1485#190  0.1uF  [C_0402_1005Metric]  99.5 118.5 270 top
C1485#191  0.1uF  [C_0402_1005Metric]  63.52 126.48 270 top
C1485#192  0.1uF  [C_0402_1005Metric]  43.52 138.48 270 top
C1485#193  0.1uF  [C_0402_1005Metric]  55.5 194.5 270 top
C1485#194  0.1uF  [C_0402_1005Metric]  131.5 182.5 270 top
C1485#195  0.1uF  [C_0402_1005Metric]  59.5 190.5 270 top
C1485#196  0.1uF  [C_0402_1005Metric]  151.5 150.5 270 top
C1485#197  0.1uF  [C_0402_1005Metric]  95.5 194.5 270 top
C1485#198  0.1uF  [C_0402_1005Metric]  151.5 98.5 270 top
C1485#199  0.1uF  [C_0402_1005Metric]  75.5 170.48 270 top
C1485#200  0.1uF  [C_0402_1005Metric]  39.5 82.5 270 top
C1485#201  0.1uF  [C_0402_1005Metric]  155.5 134.5 270 top
C1485#202  0.1uF  [C_0402_1005Metric]  119.5 26.5 270 top
C1485#203  0.1uF  [C_0402_1005Metric]  127.5 18.5 270 top
C1485#204  0.1uF  [C_0402_1005Metric]  127.5 174.5 270 top
C1485#205  0.1uF  [C_0402_1005Metric]  83.5 178.5 270 top
C1485#206  0.1uF  [C_0402_1005Metric]  35.5 166.5 270 top
C1485#207  0.1uF  [C_0402_1005Metric]  99.52 70.48 270 top
C1485#208  0.1uF  [C_0402_1005Metric]  151.5 106.5 270 top
C1485#209  0.1uF  [C_0402_1005Metric]  27.52 114.48 270 top
C1485#210  0.1uF  [C_0402_1005Metric]  91.5 150.5 270 top
C1485#211  0.1uF  [C_0402_1005Metric]  19.52 78.48 270 top
C1485#212  0.1uF  [C_0402_1005Metric]  115.5 126.5 270 top
C1485#213  0.1uF  [C_0402_1005Metric]  39.52 126.48 270 top
C1485#214  0.1uF  [C_0402_1005Metric]  163.5 150.5 270 top
C1485#215  0.1uF  [C_0402_1005Metric]  71.5 70.5 270 top
C1485#216  0.1uF  [C_0402_1005Metric]  23.5 122.5 270 top
C1485#217  0.1uF  [C_0402_1005Metric]  67.5 170.48 270 top
C1485#218  0.1uF  [C_0402_1005Metric]  55.5 190.5 270 top
C1485#219  0.1uF  [C_0402_1005Metric]  55.5 198.5 270 top
C1485#220  0.1uF  [C_0402_1005Metric]  135.5 182.5 270 top
C1485#221  0.1uF  [C_0402_1005Metric]  143.5 182.5 270 top
C1485#222  0.1uF  [C_0402_1005Metric]  139.5 194.5 270 top
C1485#223  0.1uF  [C_0402_1005Metric]  55.48 58.52 270 top
C1485#224  0.1uF  [C_0402_1005Metric]  127.5 46.5 270 top
C1485#225  0.1uF  [C_0402_1005Metric]  67.5 194.5 270 top
C1485#226  0.1uF  [C_0402_1005Metric]  59.5 30.5 270 top
C1485#227  0.1uF  [C_0402_1005Metric]  147.5 78.5 270 top
C1485#228  0.1uF  [C_0402_1005Metric]  23.52 70.48 270 top
C1485#229  0.1uF  [C_0402_1005Metric]  55.5 162.5 270 top
C1485#230  0.1uF  [C_0402_1005Metric]  55.52 98.48 270 top
C1485#231  0.1uF  [C_0402_1005Metric]  107.5 102.5 270 top
C1485#232  0.1uF  [C_0402_1005Metric]  99.5 206.5 270 top
C1485#233  0.1uF  [C_0402_1005Metric]  111.5 98.5 270 top
C1485#234  0.1uF  [C_0402_1005Metric]  63.5 74.5 270 top
C1485#235  0.1uF  [C_0402_1005Metric]  27.5 134.5 270 top
C1485#236  0.1uF  [C_0402_1005Metric]  119.5 74.5 270 top
C1485#237  0.1uF  [C_0402_1005Metric]  107.98 54.52 270 top
C1485#238  0.1uF  [C_0402_1005Metric]  99.5 146.5 270 top
C1485#239  0.1uF  [C_0402_1005Metric]  23.52 94.48 270 top
C1485#240  0.1uF  [C_0402_1005Metric]  75.5 174.48 270 top
C1485#241  0.1uF  [C_0402_1005Metric]  147.5 50.5 270 top
C1485#242  0.1uF  [C_0402_1005Metric]  143.5 110.5 270 top
C1485#243  0.1uF  [C_0402_1005Metric]  159.5 202.5 270 top
C1485#244  0.1uF  [C_0402_1005Metric]  67.5 82.5 270 top
C1485#245  0.1uF  [C_0402_1005Metric]  143.5 70.5 270 top
C1485#246  0.1uF  [C_0402_1005Metric]  31.52 98.48 270 top
C1485#247  0.1uF  [C_0402_1005Metric]  67.5 166.5 270 top
C1485#248  0.1uF  [C_0402_1005Metric]  71.5 174.48 270 top
C1485#249  0.1uF  [C_0402_1005Metric]  39.52 118.48 270 top
C1485#250  0.1uF  [C_0402_1005Metric]  111.5 102.5 270 top
C1485#251  0.1uF  [C_0402_1005Metric]  71.5 86.5 270 top
C1485#252  0.1uF  [C_0402_1005Metric]  99.52 66.48 270 top
C1485#253  0.1uF  [C_0402_1005Metric]  107.5 34.5 270 top
C1485#254  0.1uF  [C_0402_1005Metric]  119.5 178.5 270 top
C1485#255  0.1uF  [C_0402_1005Metric]  59.5 186.5 270 top
C1485#256  0.1uF  [C_0402_1005Metric]  15.5 90.5 270 top
C1485#257  0.1uF  [C_0402_1005Metric]  111.5 66.5 270 top
C1485#258  0.1uF  [C_0402_1005Metric]  147.5 70.5 270 top
C1485#259  0.1uF  [C_0402_1005Metric]  123.5 26.5 270 top
C1485#260  0.1uF  [C_0402_1005Metric]  135.5 114.5 270 top
C1485#261  0.1uF  [C_0402_1005Metric]  63.5 174.48 270 top
C1485#262  0.1uF  [C_0402_1005Metric]  43.5 106.52 270 top
C1485#263  0.1uF  [C_0402_1005Metric]  127.5 54.5 270 top
C1485#264  0.1uF  [C_0402_1005Metric]  103.52 78.48 270 top
C1485#265  0.1uF  [C_0402_1005Metric]  51.5 202.5 270 top
C1485#266  0.1uF  [C_0402_1005Metric]  155.5 194.5 270 top
C1485#267  0.1uF  [C_0402_1005Metric]  151.5 14.5 270 top
C1485#268  0.1uF  [C_0402_1005Metric]  139.5 62.5 270 top
C1485#269  0.1uF  [C_0402_1005Metric]  71.5 94.5 270 top
C1485#270  0.1uF  [C_0402_1005Metric]  123.5 118.5 270 top
C1485#271  0.1uF  [C_0402_1005Metric]  59.5 210.5 270 top
C1485#272  0.1uF  [C_0402_1005Metric]  167.5 194.5 270 top
C1485#273  0.1uF  [C_0402_1005Metric]  131.5 162.5 270 top
C1485#274  0.1uF  [C_0402_1005Metric]  159.5 54.5 270 top
C1485#275  0.1uF  [C_0402_1005Metric]  163.5 158.5 270 top
C1485#276  0.1uF  [C_0402_1005Metric]  135.5 86.5 270 top
C1485#277  0.1uF  [C_0402_1005Metric]  151.5 26.5 270 top
C1485#278  0.1uF  [C_0402_1005Metric]  87.5 166.5 270 top
C1485#279  0.1uF  [C_0402_1005Metric]  171.5 178.5 270 top
C1485#280  0.1uF  [C_0402_1005Metric]  147.5 102.5 270 top
C1485#281  0.1uF  [C_0402_1005Metric]  19.5 110.5 270 top
C1485#282  0.1uF  [C_0402_1005Metric]  35.52 102.48 270 top
C1485#283  0.1uF  [C_0402_1005Metric]  167.5 206.5 270 top
C1485#284  0.1uF  [C_0402_1005Metric]  23.52 90.48 270 top
C1485#285  0.1uF  [C_0402_1005Metric]  83.5 38.5 270 top
C1485#286  0.1uF  [C_0402_1005Metric]  119.5 42.5 270 top
C1485#287  0.1uF  [C_0402_1005Metric]  75.5 198.5 270 top
C1485#288  0.1uF  [C_0402_1005Metric]  67.52 122.5 270 top
C1485#289  0.1uF  [C_0402_1005Metric]  135.5 194.5 270 top
C1485#290  0.1uF  [C_0402_1005Metric]  167.5 82.5 270 top
C1485#291  0.1uF  [C_0402_1005Metric]  119.5 122.5 270 top
C1485#292  0.1uF  [C_0402_1005Metric]  79.5 174.48 270 top
C1485#293  0.1uF  [C_0402_1005Metric]  71.5 170.48 270 top
C1485#294  0.1uF  [C_0402_1005Metric]  67.5 74.5 270 top
C1485#295  0.1uF  [C_0402_1005Metric]  147.5 34.5 270 top
C1485#296  0.1uF  [C_0402_1005Metric]  115.5 130.5 270 top
C1485#297  0.1uF  [C_0402_1005Metric]  143.5 154.5 270 top
C1485#298  0.1uF  [C_0402_1005Metric]  163.5 166.5 270 top
C1485#299  0.1uF  [C_0402_1005Metric]  91.5 174.48 270 top
C1485#300  0.1uF  [C_0402_1005Metric]  111.5 30.5 270 top
C1485#301  0.1uF  [C_0402_1005Metric]  159.5 38.5 270 top
C1485#302  0.1uF  [C_0402_1005Metric]  55.52 62.48 270 top
C1485#303  0.1uF  [C_0402_1005Metric]  107.52 66.48 270 top
C1485#304  0.1uF  [C_0402_1005Metric]  95.5 62.5 270 top